# Altium PCB Board.PcbDoc (part 7 of 7)
Units mil, origin at the board's own origin, x right, y up, seen from the top; angles counter-clockwise.
Board outline 7091.76 x 4731.03 mil, 4 copper layers (Top Layer, GND, VCC, Bottom Layer); 297 components, 197 nets, 1031 pads, 468 vias.
Unrouted connection lines stored in the file: 1.
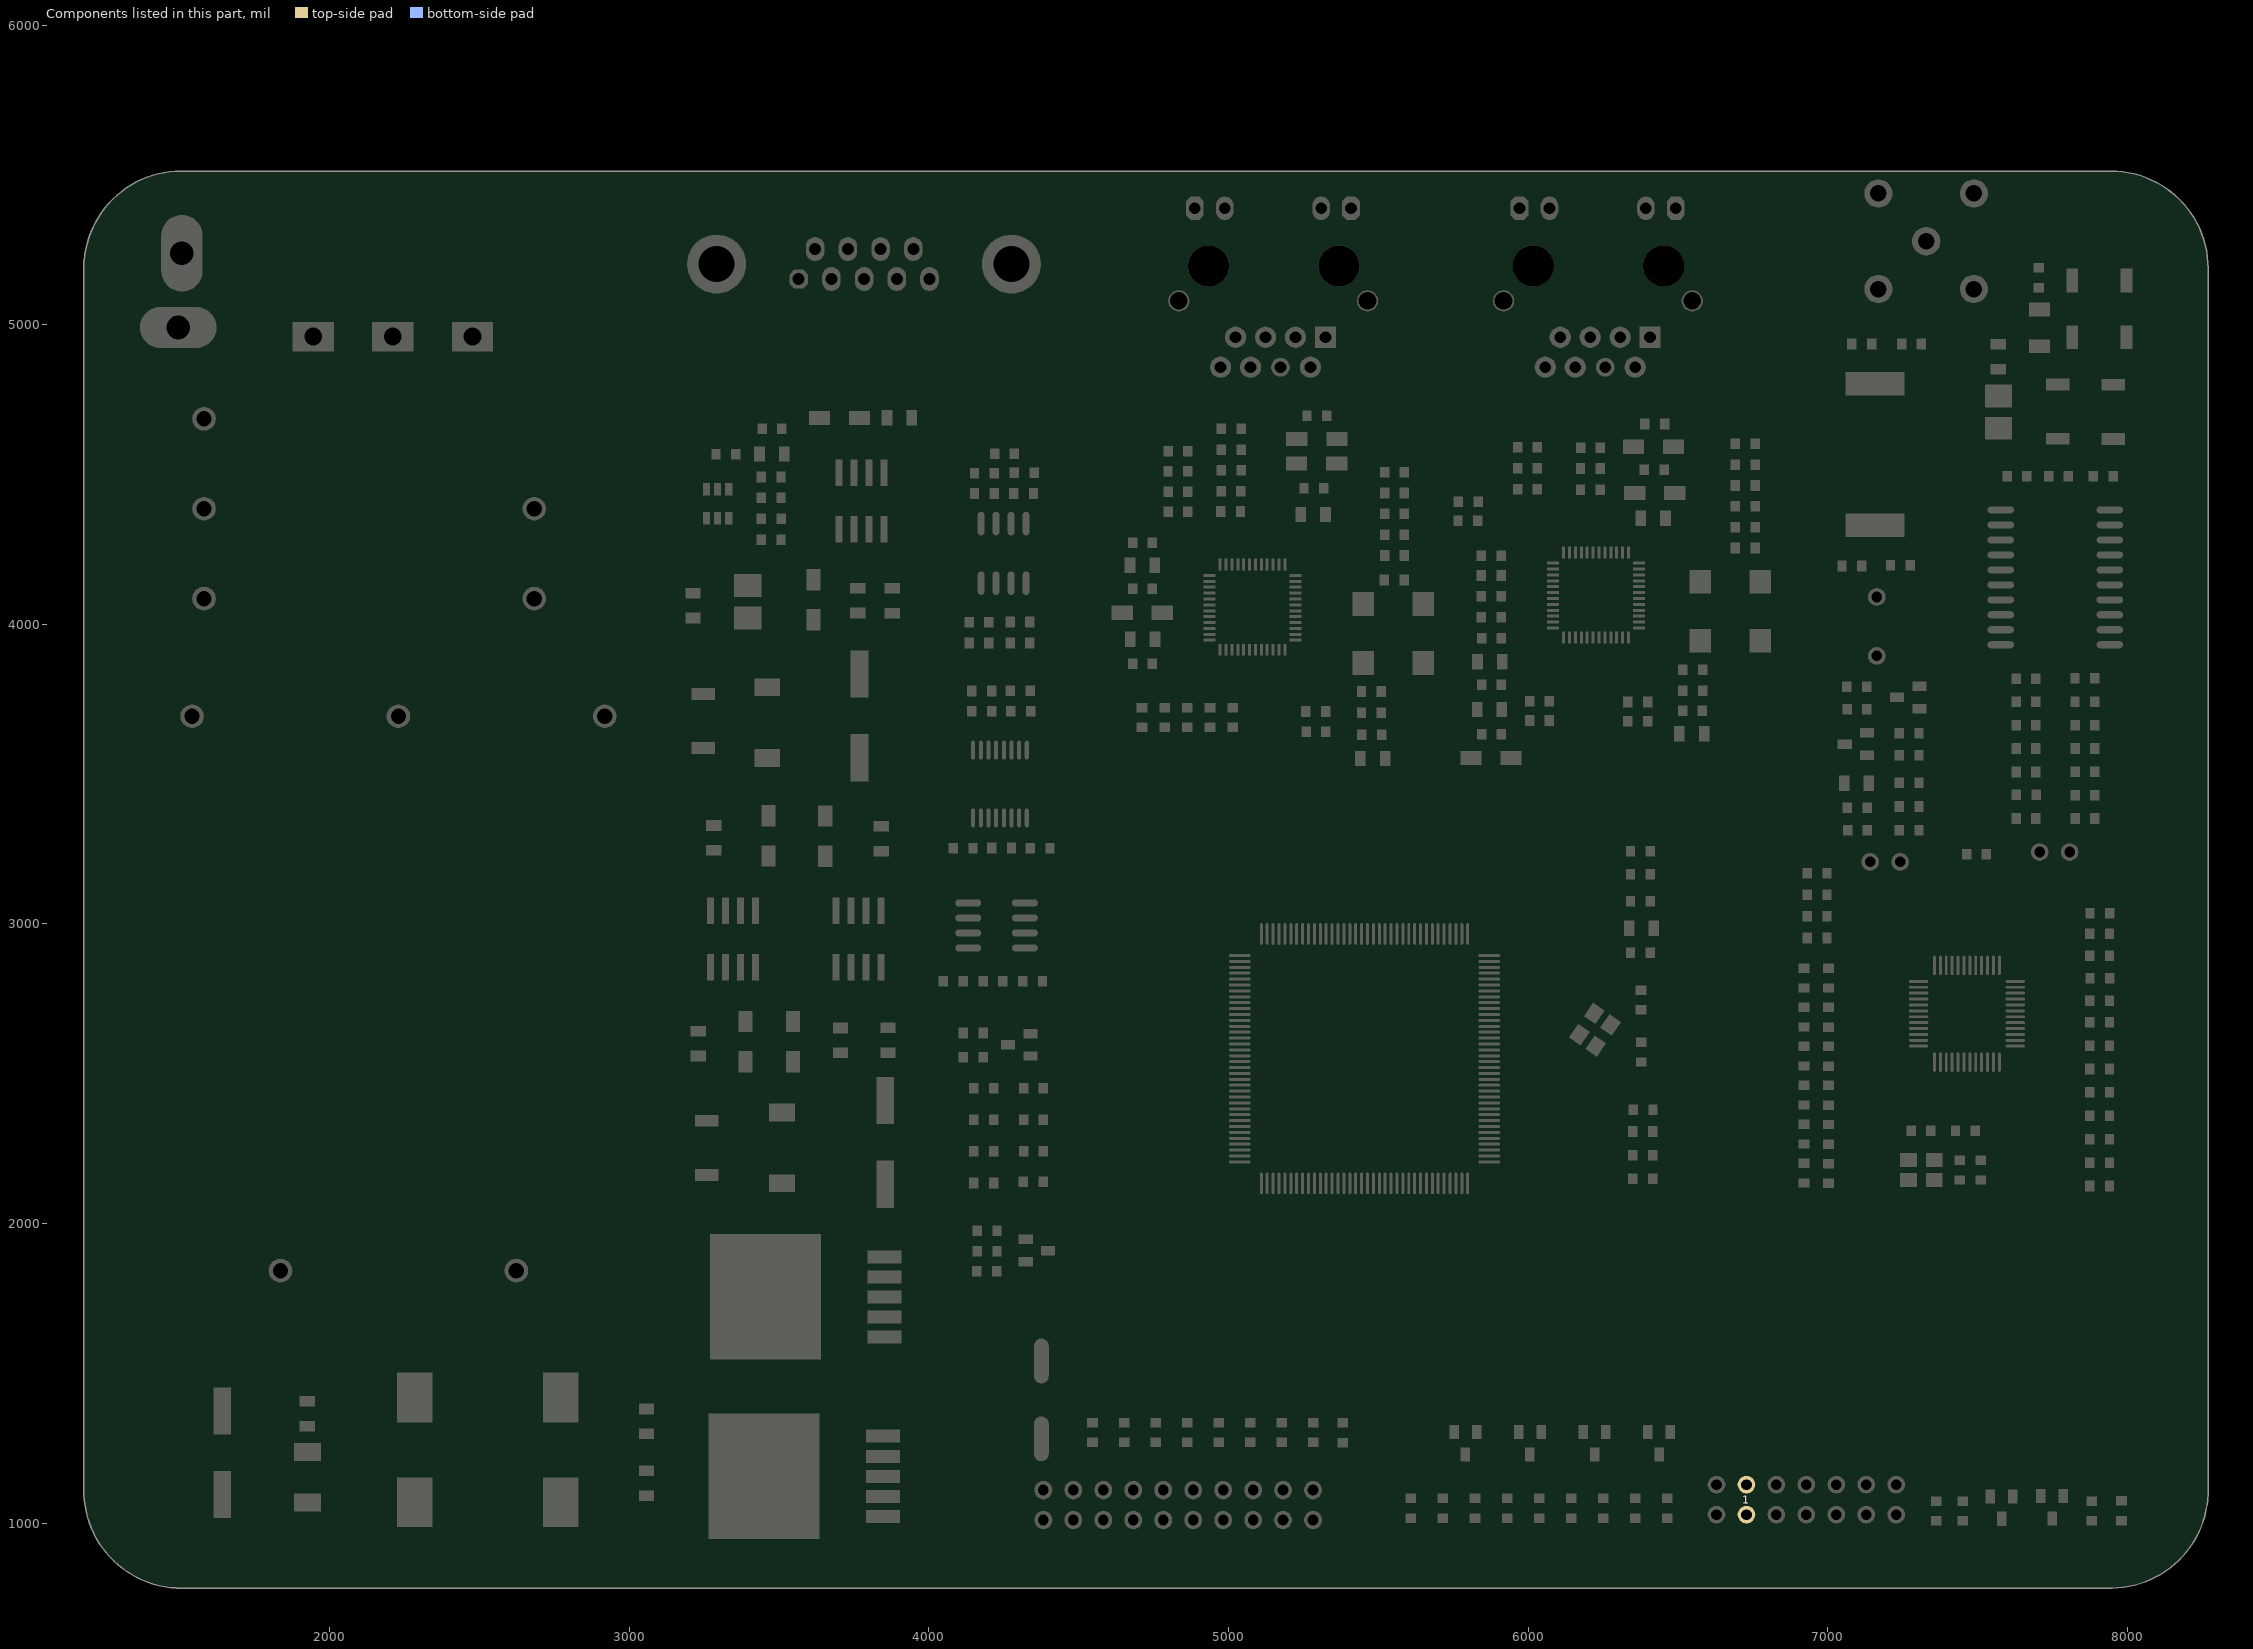
[diagram p9: the components of this part, seen from the top]

## Via types
v1: diameter 20, hole 12, Top Layer to Bottom Layer, 399 vias
v2: diameter 30, hole 16, Top Layer to Bottom Layer, 68 vias
v3: diameter 25, hole 15, Top Layer to Bottom Layer, 1 vias

## Nets (pads, with @x,y where several pads share a name; then routed paths per layer and width w, separated by ;. In a path a pad name is that pad's centre, name@x,y a point inside that pad or via, vN(x,y) a via of type N, cw(c..) or ccw(c..) an arc to the next point about the centre after c; other vN are vias at no path point) (continued)
copper on no net: (continued)
  Top Layer w2.07: 7701.78,1303.36 7783.2,1303.36 ; 7701.78,1305.43 7783.2,1305.43 ; 7701.78,1307.5 7783.2,1307.5 ; 7701.78,1309.57 7783.2,1309.57 ; 7701.78,1311.64 7733.52,1311.64 ; 7701.78,1313.71 7733.52,1313.71 ; 7701.78,1315.78 7733.52,1315.78 ; 7701.78,1317.85 7733.52,1317.85 ; 7701.78,1319.92 7733.52,1319.92 ; 7701.78,1321.99 7733.52,1321.99 ; 7701.78,1324.06 7733.52,1324.06 ; 7701.78,1326.13 7733.52,1326.13 ; 7701.78,1460.68 7716.96,1460.68 ; 7701.78,1462.75 7716.96,1462.75 ; 7701.78,1464.82 7716.96,1464.82 ; 7701.78,1466.89 7716.96,1466.89 ; 7701.78,1468.96 7716.96,1468.96 ; 7701.78,1471.03 7716.96,1471.03 ; 7701.78,1473.1 7716.96,1473.1 ; 7701.78,1475.17 7716.96,1475.17 ; 7701.78,1510.36 7750.08,1510.36 ; 7701.78,1512.43 7750.08,1512.43 ; 7701.78,1514.5 7750.08,1514.5 ; 7701.78,1516.57 7750.08,1516.57 ; 7701.78,1518.64 7750.08,1518.64 ; 7701.78,1520.71 7750.08,1520.71 ; 7701.78,1522.78 7750.08,1522.78 ; 7701.78,1524.85 7750.08,1524.85 ; 7701.78,1560.04 7716.96,1560.04 ; 7701.78,1562.11 7716.96,1562.11 ; 7701.78,1564.18 7716.96,1564.18 ; 7701.78,1566.25 7716.96,1566.25 ; 7701.78,1568.32 7716.96,1568.32 ; 7701.78,1570.39 7716.96,1570.39 ; 7701.78,1572.46 7716.96,1572.46 ; 7701.78,1574.53 7716.96,1574.53 ; 7701.78,1659.4 7733.52,1659.4 ; 7701.78,1661.47 7733.52,1661.47 ; 7701.78,1663.54 7733.52,1663.54 ; 7701.78,1665.61 7733.52,1665.61 ; 7701.78,1667.68 7733.52,1667.68 ; 7701.78,1669.75 7733.52,1669.75 ; 7701.78,1671.82 7733.52,1671.82 ; 7701.78,1673.89 7733.52,1673.89 ; 7701.78,1675.96 7716.96,1675.96 ; 7701.78,1678.03 7716.96,1678.03 ; 7701.78,1680.1 7716.96,1680.1 ; 7701.78,1682.17 7716.96,1682.17 ; 7701.78,1684.24 7716.96,1684.24 ; 7701.78,1686.31 7716.96,1686.31 ; 7701.78,1688.38 7716.96,1688.38 ; 7701.78,1690.45 7716.96,1690.45 ; 7701.78,1692.52 7716.96,1692.52 ; 7701.78,1694.59 7716.96,1694.59 ; 7701.78,1696.66 7716.96,1696.66 ; 7701.78,1698.73 7716.96,1698.73 ; 7701.78,1700.8 7716.96,1700.8 ; 7701.78,1702.87 7716.96,1702.87 ; 7701.78,1704.94 7716.96,1704.94 ; 7701.78,1707.01 7716.96,1707.01 ; 7701.78,1742.2 7766.64,1742.2 ; 7701.78,1744.27 7766.64,1744.27 ; 7701.78,1746.34 7766.64,1746.34 ; 7701.78,1748.41 7766.64,1748.41 ; 7701.78,1750.48 7766.64,1750.48 ; 7701.78,1752.55 7766.64,1752.55 ; 7701.78,1754.62 7766.64,1754.62 ; 7701.78,1756.69 7766.64,1756.69 ; 7718.34,1261.96 7783.2,1261.96 ; 7718.34,1264.03 7783.2,1264.03 ; 7718.34,1266.1 7783.2,1266.1 ; 7718.34,1268.17 7783.2,1268.17 ; 7718.34,1270.24 7783.2,1270.24 ; 7718.34,1272.31 7783.2,1272.31 ; 7718.34,1274.38 7783.2,1274.38 ; 7718.34,1276.45 7783.2,1276.45 ; 7718.34,1328.2 7733.52,1328.2 ; 7718.34,1330.27 7733.52,1330.27 ; 7718.34,1332.34 7733.52,1332.34 ; 7718.34,1334.41 7733.52,1334.41 ; 7718.34,1336.48 7733.52,1336.48 ; 7718.34,1338.55 7733.52,1338.55 ; 7718.34,1340.62 7733.52,1340.62 ; 7718.34,1342.69 7733.52,1342.69 ; 7718.34,1361.32 7783.2,1361.32 ; 7718.34,1363.39 7783.2,1363.39 ; 7718.34,1365.46 7783.2,1365.46 ; 7718.34,1367.53 7783.2,1367.53 ; 7718.34,1369.6 7783.2,1369.6 ; 7718.34,1371.67 7783.2,1371.67 ; 7718.34,1373.74 7783.2,1373.74 ; 7718.34,1375.81 7783.2,1375.81 ; 7718.34,1394.44 7733.52,1394.44 ; 7718.34,1396.51 7733.52,1396.51 ; 7718.34,1398.58 7733.52,1398.58 ; 7718.34,1400.65 7733.52,1400.65 ; 7718.34,1402.72 7733.52,1402.72 ; 7718.34,1404.79 7733.52,1404.79 ; 7718.34,1406.86 7733.52,1406.86 ; 7718.34,1408.93 7733.52,1408.93 ; 7718.34,1427.56 7750.08,1427.56 ; 7718.34,1429.63 7750.08,1429.63 ; 7718.34,1431.7 7750.08,1431.7 ; 7718.34,1433.77 7750.08,1433.77 ; 7718.34,1435.84 7750.08,1435.84 ; 7718.34,1437.91 7750.08,1437.91 ; 7718.34,1439.98 7750.08,1439.98 ; 7718.34,1442.05 7750.08,1442.05 ; 7718.34,1444.12 7750.08,1444.12 ; 7718.34,1446.19 7750.08,1446.19 ; 7718.34,1448.26 7750.08,1448.26 ; 7718.34,1450.33 7750.08,1450.33 ; 7718.34,1452.4 7750.08,1452.4 ; 7718.34,1454.47 7750.08,1454.47 ; 7718.34,1456.54 7750.08,1456.54 ; 7718.34,1458.61 7750.08,1458.61 ; 7718.34,1576.6 7733.52,1576.6 ; 7718.34,1578.67 7733.52,1578.67 ; 7718.34,1580.74 7733.52,1580.74 ; 7718.34,1582.81 7733.52,1582.81 ; 7718.34,1584.88 7733.52,1584.88 ; 7718.34,1586.95 7733.52,1586.95 ; 7718.34,1589.02 7733.52,1589.02 ; 7718.34,1591.09 7733.52,1591.09 ; 7718.34,1593.16 7733.52,1593.16 ; 7718.34,1595.23 7733.52,1595.23 ; 7718.34,1597.3 7733.52,1597.3 ; 7718.34,1599.37 7733.52,1599.37 ; 7718.34,1601.44 7733.52,1601.44 ; 7718.34,1603.51 7733.52,1603.51 ; 7718.34,1605.58 7733.52,1605.58 ; 7718.34,1607.65 7733.52,1607.65 ; 7718.34,1709.08 7733.52,1709.08 ; 7718.34,1711.15 7733.52,1711.15 ; 7718.34,1713.22 7733.52,1713.22 ; 7718.34,1715.29 7733.52,1715.29 ; 7718.34,1717.36 7733.52,1717.36 ; 7718.34,1719.43 7733.52,1719.43 ; 7718.34,1721.5 7733.52,1721.5 ; 7718.34,1723.57 7733.52,1723.57 ; 7718.34,1758.76 7733.52,1758.76 ; 7718.34,1760.83 7733.52,1760.83 ; 7718.34,1762.9 7733.52,1762.9 ; 7718.34,1764.97 7733.52,1764.97 ; 7718.34,1767.04 7733.52,1767.04 ; 7718.34,1769.11 7733.52,1769.11 ; 7718.34,1771.18 7733.52,1771.18 ; 7718.34,1773.25 7733.52,1773.25 ; 7734.9,1411 7750.08,1411 ; 7734.9,1413.07 7750.08,1413.07 ; 7734.9,1415.14 7750.08,1415.14 ; 7734.9,1417.21 7750.08,1417.21 ; 7734.9,1419.28 7750.08,1419.28 ; 7734.9,1421.35 7750.08,1421.35 ; 7734.9,1423.42 7750.08,1423.42 ; 7734.9,1425.49 7750.08,1425.49 ; 7734.9,1526.92 7832.88,1526.92 ; 7734.9,1528.99 7832.88,1528.99 ; 7734.9,1531.06 7832.88,1531.06 ; 7734.9,1533.13 7832.88,1533.13 ; 7734.9,1535.2 7832.88,1535.2 ; 7734.9,1537.27 7832.88,1537.27 ; 7734.9,1539.34 7832.88,1539.34 ; 7734.9,1541.41 7832.88,1541.41 ; 7734.9,1626.28 7766.64,1626.28 ; 7734.9,1628.35 7766.64,1628.35 ; 7734.9,1630.42 7766.64,1630.42 ; 7734.9,1632.49 7766.64,1632.49 ; 7734.9,1634.56 7766.64,1634.56 ; 7734.9,1636.63 7766.64,1636.63 ; 7734.9,1638.7 7766.64,1638.7 ; 7734.9,1640.77 7766.64,1640.77 ; 7734.9,1675.96 7750.08,1675.96 ; 7734.9,1678.03 7750.08,1678.03 ; 7734.9,1680.1 7750.08,1680.1 ; 7734.9,1682.17 7750.08,1682.17 ; 7734.9,1684.24 7750.08,1684.24 ; 7734.9,1686.31 7750.08,1686.31 ; 7734.9,1688.38 7750.08,1688.38 ; 7734.9,1690.45 7750.08,1690.45 ; 7734.9,1692.52 7750.08,1692.52 ; 7734.9,1694.59 7750.08,1694.59 ; 7734.9,1696.66 7750.08,1696.66 ; 7734.9,1698.73 7750.08,1698.73 ; 7734.9,1700.8 7750.08,1700.8 ; 7734.9,1702.87 7750.08,1702.87 ; 7734.9,1704.94 7750.08,1704.94 ; 7734.9,1707.01 7750.08,1707.01 ; 7734.9,1775.32 7750.08,1775.32 ; 7734.9,1777.39 7750.08,1777.39 ; 7734.9,1779.46 7750.08,1779.46 ; 7734.9,1781.53 7750.08,1781.53 ; 7734.9,1783.6 7750.08,1783.6 ; 7734.9,1785.67 7750.08,1785.67 ; 7734.9,1787.74 7750.08,1787.74 ; 7734.9,1789.81 7750.08,1789.81 ; 7734.9,1791.88 7750.08,1791.88 ; 7734.9,1793.95 7750.08,1793.95 ; 7734.9,1796.02 7750.08,1796.02 ; 7734.9,1798.09 7750.08,1798.09 ; 7734.9,1800.16 7750.08,1800.16 ; 7734.9,1802.23 7750.08,1802.23 ; 7734.9,1804.3 7750.08,1804.3 ; 7734.9,1806.37 7750.08,1806.37 ; 7751.46,1328.2 7866,1328.2 ; 7751.46,1330.27 7866,1330.27 ; 7751.46,1332.34 7866,1332.34 ; 7751.46,1334.41 7866,1334.41 ; 7751.46,1336.48 7866,1336.48 ; 7751.46,1338.55 7866,1338.55 ; 7751.46,1340.62 7866,1340.62 ; 7751.46,1342.69 7866,1342.69 ; 7751.46,1344.76 7783.2,1344.76 ; 7751.46,1346.83 7783.2,1346.83 ; 7751.46,1348.9 7783.2,1348.9 ; 7751.46,1350.97 7783.2,1350.97 ; 7751.46,1353.04 7783.2,1353.04 ; 7751.46,1355.11 7783.2,1355.11 ; 7751.46,1357.18 7783.2,1357.18 ; 7751.46,1359.25 7783.2,1359.25 ; 7751.46,1460.68 7799.76,1460.68 ; 7751.46,1462.75 7799.76,1462.75 ; 7751.46,1464.82 7799.76,1464.82 ; 7751.46,1466.89 7799.76,1466.89 ; 7751.46,1468.96 7799.76,1468.96 ; 7751.46,1471.03 7799.76,1471.03 ; 7751.46,1473.1 7799.76,1473.1 ; 7751.46,1475.17 7799.76,1475.17 ; 7751.46,1477.24 7783.2,1477.24 ; 7751.46,1479.31 7783.2,1479.31 ; 7751.46,1481.38 7783.2,1481.38 ; 7751.46,1483.45 7783.2,1483.45 ; 7751.46,1485.52 7783.2,1485.52 ; 7751.46,1487.59 7783.2,1487.59 ; 7751.46,1489.66 7783.2,1489.66 ; 7751.46,1491.73 7783.2,1491.73 ; 7751.46,1493.8 7816.32,1493.8 ; 7751.46,1495.87 7816.32,1495.87 ; 7751.46,1497.94 7816.32,1497.94 ; 7751.46,1500.01 7816.32,1500.01 ; 7751.46,1502.08 7816.32,1502.08 ; 7751.46,1504.15 7816.32,1504.15 ; 7751.46,1506.22 7816.32,1506.22 ; 7751.46,1508.29 7816.32,1508.29 ; 7751.46,1543.48 7766.64,1543.48 ; 7751.46,1545.55 7766.64,1545.55 ; 7751.46,1547.62 7766.64,1547.62 ; 7751.46,1549.69 7766.64,1549.69 ; 7751.46,1551.76 7766.64,1551.76 ; 7751.46,1553.83 7766.64,1553.83 ; 7751.46,1555.9 7766.64,1555.9 ; 7751.46,1557.97 7766.64,1557.97 ; 7751.46,1576.6 7766.64,1576.6 ; 7751.46,1578.67 7766.64,1578.67 ; 7751.46,1580.74 7766.64,1580.74 ; 7751.46,1582.81 7766.64,1582.81 ; 7751.46,1584.88 7766.64,1584.88 ; 7751.46,1586.95 7766.64,1586.95 ; 7751.46,1589.02 7766.64,1589.02 ; 7751.46,1591.09 7766.64,1591.09 ; 7751.46,1593.16 7783.2,1593.16 ; 7751.46,1595.23 7783.2,1595.23 ; 7751.46,1597.3 7783.2,1597.3 ; 7751.46,1599.37 7783.2,1599.37 ; 7751.46,1601.44 7783.2,1601.44 ; 7751.46,1603.51 7783.2,1603.51 ; 7751.46,1605.58 7783.2,1605.58 ; 7751.46,1607.65 7783.2,1607.65 ; 7751.46,1709.08 7766.64,1709.08 ; 7751.46,1711.15 7766.64,1711.15 ; 7751.46,1713.22 7766.64,1713.22 ; 7751.46,1715.29 7766.64,1715.29 ; 7751.46,1717.36 7766.64,1717.36 ; 7751.46,1719.43 7766.64,1719.43 ; 7751.46,1721.5 7766.64,1721.5 ; 7751.46,1723.57 7766.64,1723.57 ; 7751.46,1725.64 7783.2,1725.64 ; 7751.46,1727.71 7783.2,1727.71 ; 7751.46,1729.78 7783.2,1729.78 ; 7751.46,1731.85 7783.2,1731.85 ; 7751.46,1733.92 7783.2,1733.92 ; 7751.46,1735.99 7783.2,1735.99 ; 7751.46,1738.06 7783.2,1738.06 ; 7751.46,1740.13 7783.2,1740.13 ; 7751.46,1758.76 7766.64,1758.76 ; 7751.46,1760.83 7766.64,1760.83 ; 7751.46,1762.9 7766.64,1762.9 ; 7751.46,1764.97 7766.64,1764.97 ; 7751.46,1767.04 7766.64,1767.04 ; 7751.46,1769.11 7766.64,1769.11 ; 7751.46,1771.18 7766.64,1771.18 ; 7751.46,1773.25 7766.64,1773.25 ; 7768.02,1311.64 7783.2,1311.64 ; 7768.02,1313.71 7783.2,1313.71 ; 7768.02,1315.78 7783.2,1315.78 ; 7768.02,1317.85 7783.2,1317.85 ; 7768.02,1319.92 7783.2,1319.92 ; 7768.02,1321.99 7783.2,1321.99 ; 7768.02,1324.06 7783.2,1324.06 ; 7768.02,1326.13 7783.2,1326.13 ; 7768.02,1377.88 7783.2,1377.88 ; 7768.02,1379.95 7783.2,1379.95 ; 7768.02,1382.02 7783.2,1382.02 ; 7768.02,1384.09 7783.2,1384.09 ; 7768.02,1386.16 7783.2,1386.16 ; 7768.02,1388.23 7783.2,1388.23 ; 7768.02,1390.3 7783.2,1390.3 ; 7768.02,1392.37 7783.2,1392.37 ; 7768.02,1394.44 7866,1394.44 ; 7768.02,1396.51 7866,1396.51 ; 7768.02,1398.58 7866,1398.58 ; 7768.02,1400.65 7866,1400.65 ; 7768.02,1402.72 7866,1402.72 ; 7768.02,1404.79 7866,1404.79 ; 7768.02,1406.86 7866,1406.86 ; 7768.02,1408.93 7866,1408.93 ; 7768.02,1427.56 7783.2,1427.56 ; 7768.02,1429.63 7783.2,1429.63 ; 7768.02,1431.7 7783.2,1431.7 ; 7768.02,1433.77 7783.2,1433.77 ; 7768.02,1435.84 7783.2,1435.84 ; 7768.02,1437.91 7783.2,1437.91 ; 7768.02,1439.98 7783.2,1439.98 ; 7768.02,1442.05 7783.2,1442.05 ; 7768.02,1510.36 7799.76,1510.36 ; 7768.02,1512.43 7799.76,1512.43 ; 7768.02,1514.5 7799.76,1514.5 ; 7768.02,1516.57 7799.76,1516.57 ; 7768.02,1518.64 7799.76,1518.64 ; 7768.02,1520.71 7799.76,1520.71 ; 7768.02,1522.78 7799.76,1522.78 ; 7768.02,1524.85 7799.76,1524.85 ; 7768.02,1659.4 7783.2,1659.4 ; 7768.02,1661.47 7783.2,1661.47 ; 7768.02,1663.54 7783.2,1663.54 ; 7768.02,1665.61 7783.2,1665.61 ; 7768.02,1667.68 7783.2,1667.68 ; 7768.02,1669.75 7783.2,1669.75 ; 7768.02,1671.82 7783.2,1671.82 ; 7768.02,1673.89 7783.2,1673.89 ; 7768.02,1675.96 7783.2,1675.96 ; 7768.02,1678.03 7783.2,1678.03 ; 7768.02,1680.1 7783.2,1680.1 ; 7768.02,1682.17 7783.2,1682.17 ; 7768.02,1684.24 7783.2,1684.24 ; 7768.02,1686.31 7783.2,1686.31 ; 7768.02,1688.38 7783.2,1688.38 ; 7768.02,1690.45 7783.2,1690.45 ; 7768.02,1692.52 7783.2,1692.52 ; 7768.02,1694.59 7783.2,1694.59 ; 7768.02,1696.66 7783.2,1696.66 ; 7768.02,1698.73 7783.2,1698.73 ; 7768.02,1700.8 7783.2,1700.8 ; 7768.02,1702.87 7783.2,1702.87 ; 7768.02,1704.94 7783.2,1704.94 ; 7768.02,1707.01 7783.2,1707.01 ; 7768.02,1791.88 7783.2,1791.88 ; 7768.02,1793.95 7783.2,1793.95 ; 7768.02,1796.02 7783.2,1796.02 ; 7768.02,1798.09 7783.2,1798.09 ; 7768.02,1800.16 7783.2,1800.16 ; 7768.02,1802.23 7783.2,1802.23 ; 7768.02,1804.3 7783.2,1804.3 ; 7768.02,1806.37 7783.2,1806.37 ; 7784.58,1444.12 7866,1444.12 ; 7784.58,1446.19 7866,1446.19 ; 7784.58,1448.26 7866,1448.26 ; 7784.58,1450.33 7866,1450.33 ; 7784.58,1452.4 7866,1452.4 ; 7784.58,1454.47 7866,1454.47 ; 7784.58,1456.54 7866,1456.54 ; 7784.58,1458.61 7866,1458.61 ; 7784.58,1560.04 7799.76,1560.04 ; 7784.58,1562.11 7799.76,1562.11 ; 7784.58,1564.18 7799.76,1564.18 ; 7784.58,1566.25 7799.76,1566.25 ; 7784.58,1568.32 7799.76,1568.32 ; 7784.58,1570.39 7799.76,1570.39 ; 7784.58,1572.46 7799.76,1572.46 ; 7784.58,1574.53 7799.76,1574.53 ; 7784.58,1576.6 7799.76,1576.6 ; 7784.58,1578.67 7799.76,1578.67 ; 7784.58,1580.74 7799.76,1580.74 ; 7784.58,1582.81 7799.76,1582.81 ; 7784.58,1584.88 7799.76,1584.88 ; 7784.58,1586.95 7799.76,1586.95 ; 7784.58,1589.02 7799.76,1589.02 ; 7784.58,1591.09 7799.76,1591.09 ; 7784.58,1626.28 7799.76,1626.28 ; 7784.58,1628.35 7799.76,1628.35 ; 7784.58,1630.42 7799.76,1630.42 ; 7784.58,1632.49 7799.76,1632.49 ; 7784.58,1634.56 7799.76,1634.56 ; 7784.58,1636.63 7799.76,1636.63 ; 7784.58,1638.7 7799.76,1638.7 ; 7784.58,1640.77 7799.76,1640.77 ; 7784.58,1642.84 7799.76,1642.84 ; 7784.58,1644.91 7799.76,1644.91 ; 7784.58,1646.98 7799.76,1646.98 ; 7784.58,1649.05 7799.76,1649.05 ; 7784.58,1651.12 7799.76,1651.12 ; 7784.58,1653.19 7799.76,1653.19 ; 7784.58,1655.26 7799.76,1655.26 ; 7784.58,1657.33 7799.76,1657.33 ; 7801.14,1278.52 7816.32,1278.52 ; 7801.14,1280.59 7816.32,1280.59 ; 7801.14,1282.66 7816.32,1282.66 ; 7801.14,1284.73 7816.32,1284.73 ; 7801.14,1286.8 7816.32,1286.8 ; 7801.14,1288.87 7816.32,1288.87 ; 7801.14,1290.94 7816.32,1290.94 ; 7801.14,1293.01 7816.32,1293.01 ; 7801.14,1361.32 7816.32,1361.32 ; 7801.14,1363.39 7816.32,1363.39 ; 7801.14,1365.46 7816.32,1365.46 ; 7801.14,1367.53 7816.32,1367.53 ; 7801.14,1369.6 7816.32,1369.6 ; 7801.14,1371.67 7816.32,1371.67 ; 7801.14,1373.74 7816.32,1373.74 ; 7801.14,1375.81 7816.32,1375.81 ; 7801.14,1427.56 7816.32,1427.56 ; 7801.14,1429.63 7816.32,1429.63 ; 7801.14,1431.7 7816.32,1431.7 ; 7801.14,1433.77 7816.32,1433.77 ; 7801.14,1435.84 7816.32,1435.84 ; 7801.14,1437.91 7816.32,1437.91 ; 7801.14,1439.98 7816.32,1439.98 ; 7801.14,1442.05 7816.32,1442.05 ; 7801.14,1477.24 7882.56,1477.24 ; 7801.14,1479.31 7882.56,1479.31 ; 7801.14,1481.38 7882.56,1481.38 ; 7801.14,1483.45 7882.56,1483.45 ; 7801.14,1485.52 7882.56,1485.52 ; 7801.14,1487.59 7882.56,1487.59 ; 7801.14,1489.66 7882.56,1489.66 ; 7801.14,1491.73 7882.56,1491.73 ; 7801.14,1593.16 7849.44,1593.16 ; 7801.14,1595.23 7849.44,1595.23 ; 7801.14,1597.3 7849.44,1597.3 ; 7801.14,1599.37 7849.44,1599.37 ; 7801.14,1601.44 7849.44,1601.44 ; 7801.14,1603.51 7849.44,1603.51 ; 7801.14,1605.58 7849.44,1605.58 ; 7801.14,1607.65 7849.44,1607.65 ; 7801.14,1692.52 7915.68,1692.52 ; 7801.14,1694.59 7915.68,1694.59 ; 7801.14,1696.66 7915.68,1696.66 ; 7801.14,1698.73 7915.68,1698.73 ; 7801.14,1700.8 7915.68,1700.8 ; 7801.14,1702.87 7915.68,1702.87 ; 7801.14,1704.94 7915.68,1704.94 ; 7801.14,1707.01 7915.68,1707.01 ; 7801.14,1709.08 7816.32,1709.08 ; 7801.14,1711.15 7816.32,1711.15 ; 7801.14,1713.22 7816.32,1713.22 ; 7801.14,1715.29 7816.32,1715.29 ; 7801.14,1717.36 7816.32,1717.36 ; 7801.14,1719.43 7816.32,1719.43 ; 7801.14,1721.5 7816.32,1721.5 ; 7801.14,1723.57 7816.32,1723.57 ; 7801.14,1725.64 7816.32,1725.64 ; 7801.14,1727.71 7816.32,1727.71 ; 7801.14,1729.78 7816.32,1729.78 ; 7801.14,1731.85 7816.32,1731.85 ; 7801.14,1733.92 7816.32,1733.92 ; 7801.14,1735.99 7816.32,1735.99 ; 7801.14,1738.06 7816.32,1738.06 ; 7801.14,1740.13 7816.32,1740.13 ; 7801.14,1742.2 7816.32,1742.2 ; 7801.14,1744.27 7816.32,1744.27 ; 7801.14,1746.34 7816.32,1746.34 ; 7801.14,1748.41 7816.32,1748.41 ; 7801.14,1750.48 7816.32,1750.48 ; 7801.14,1752.55 7816.32,1752.55 ; 7801.14,1754.62 7816.32,1754.62 ; 7801.14,1756.69 7816.32,1756.69 ; 7801.14,1758.76 7816.32,1758.76 ; 7801.14,1760.83 7816.32,1760.83 ; 7801.14,1762.9 7816.32,1762.9 ; 7801.14,1764.97 7816.32,1764.97 ; 7801.14,1767.04 7816.32,1767.04 ; 7801.14,1769.11 7816.32,1769.11 ; 7801.14,1771.18 7816.32,1771.18 ; 7801.14,1773.25 7816.32,1773.25 ; 7801.14,1775.32 7816.32,1775.32 ; 7801.14,1777.39 7816.32,1777.39 ; 7801.14,1779.46 7816.32,1779.46 ; 7801.14,1781.53 7816.32,1781.53 ; 7801.14,1783.6 7816.32,1783.6 ; 7801.14,1785.67 7816.32,1785.67 ; 7801.14,1787.74 7816.32,1787.74 ; 7801.14,1789.81 7816.32,1789.81 ; 7801.14,1791.88 7915.68,1791.88 ; 7801.14,1793.95 7915.68,1793.95 ; 7801.14,1796.02 7915.68,1796.02 ; 7801.14,1798.09 7915.68,1798.09 ; 7801.14,1800.16 7915.68,1800.16 ; 7801.14,1802.23 7915.68,1802.23 ; 7801.14,1804.3 7915.68,1804.3 ; 7801.14,1806.37 7915.68,1806.37 ; 7817.7,1311.64 7832.88,1311.64 ; 7817.7,1313.71 7832.88,1313.71 ; 7817.7,1315.78 7832.88,1315.78 ; 7817.7,1317.85 7832.88,1317.85 ; 7817.7,1319.92 7832.88,1319.92 ; 7817.7,1321.99 7832.88,1321.99 ; 7817.7,1324.06 7832.88,1324.06 ; 7817.7,1326.13 7832.88,1326.13 ; 7817.7,1460.68 7832.88,1460.68 ; 7817.7,1462.75 7832.88,1462.75 ; 7817.7,1464.82 7832.88,1464.82 ; 7817.7,1466.89 7832.88,1466.89 ; 7817.7,1468.96 7832.88,1468.96 ; 7817.7,1471.03 7832.88,1471.03 ; 7817.7,1473.1 7832.88,1473.1 ; 7817.7,1475.17 7832.88,1475.17 ; 7817.7,1510.36 7866,1510.36 ; 7817.7,1512.43 7866,1512.43 ; 7817.7,1514.5 7866,1514.5 ; 7817.7,1516.57 7866,1516.57 ; 7817.7,1518.64 7866,1518.64 ; 7817.7,1520.71 7866,1520.71 ; 7817.7,1522.78 7866,1522.78 ; 7817.7,1524.85 7866,1524.85 ; 7817.7,1543.48 7832.88,1543.48 ; 7817.7,1545.55 7832.88,1545.55 ; 7817.7,1547.62 7832.88,1547.62 ; 7817.7,1549.69 7832.88,1549.69 ; 7817.7,1551.76 7832.88,1551.76 ; 7817.7,1553.83 7832.88,1553.83 ; 7817.7,1555.9 7832.88,1555.9 ; 7817.7,1557.97 7832.88,1557.97 ; 7817.7,1560.04 7832.88,1560.04 ; 7817.7,1562.11 7832.88,1562.11 ; 7817.7,1564.18 7832.88,1564.18 ; 7817.7,1566.25 7832.88,1566.25 ; 7817.7,1568.32 7832.88,1568.32 ; 7817.7,1570.39 7832.88,1570.39 ; 7817.7,1572.46 7832.88,1572.46 ; 7817.7,1574.53 7832.88,1574.53 ; 7817.7,1576.6 7866,1576.6 ; 7817.7,1578.67 7866,1578.67 ; 7817.7,1580.74 7866,1580.74 ; 7817.7,1582.81 7866,1582.81 ; 7817.7,1584.88 7866,1584.88 ; 7817.7,1586.95 7866,1586.95 ; 7817.7,1589.02 7866,1589.02 ; 7817.7,1591.09 7866,1591.09 ; 7817.7,1609.72 7849.44,1609.72 ; 7817.7,1611.79 7849.44,1611.79 ; 7817.7,1613.86 7849.44,1613.86 ; 7817.7,1615.93 7849.44,1615.93 ; 7817.7,1618 7849.44,1618 ; 7817.7,1620.07 7849.44,1620.07 ; 7817.7,1622.14 7849.44,1622.14 ; 7817.7,1624.21 7849.44,1624.21 ; 7817.7,1626.28 7832.88,1626.28 ; 7817.7,1628.35 7832.88,1628.35 ; 7817.7,1630.42 7832.88,1630.42 ; 7817.7,1632.49 7832.88,1632.49 ; 7817.7,1634.56 7832.88,1634.56 ; 7817.7,1636.63 7832.88,1636.63 ; 7817.7,1638.7 7832.88,1638.7 ; 7817.7,1640.77 7832.88,1640.77 ; 7817.7,1642.84 7882.56,1642.84 ; 7817.7,1644.91 7882.56,1644.91 ; 7817.7,1646.98 7882.56,1646.98 ; 7817.7,1649.05 7882.56,1649.05 ; 7817.7,1651.12 7882.56,1651.12 ; 7817.7,1653.19 7882.56,1653.19 ; 7817.7,1655.26 7882.56,1655.26 ; 7817.7,1657.33 7882.56,1657.33 ; 7834.26,1261.96 7882.56,1261.96 ; 7834.26,1264.03 7882.56,1264.03 ; 7834.26,1266.1 7882.56,1266.1 ; 7834.26,1268.17 7882.56,1268.17 ; 7834.26,1270.24 7882.56,1270.24 ; 7834.26,1272.31 7882.56,1272.31 ; 7834.26,1274.38 7882.56,1274.38 ; 7834.26,1276.45 7882.56,1276.45 ; 7834.26,1295.08 7849.44,1295.08 ; 7834.26,1297.15 7849.44,1297.15 ; 7834.26,1299.22 7849.44,1299.22 ; 7834.26,1301.29 7849.44,1301.29 ; 7834.26,1303.36 7849.44,1303.36 ; 7834.26,1305.43 7849.44,1305.43 ; 7834.26,1307.5 7849.44,1307.5 ; 7834.26,1309.57 7849.44,1309.57 ; 7834.26,1344.76 7849.44,1344.76 ; 7834.26,1346.83 7849.44,1346.83 ; 7834.26,1348.9 7849.44,1348.9 ; 7834.26,1350.97 7849.44,1350.97 ; 7834.26,1353.04 7849.44,1353.04 ; 7834.26,1355.11 7849.44,1355.11 ; 7834.26,1357.18 7849.44,1357.18 ; 7834.26,1359.25 7849.44,1359.25 ; 7834.26,1361.32 7849.44,1361.32 ; 7834.26,1363.39 7849.44,1363.39 ; 7834.26,1365.46 7849.44,1365.46 ; 7834.26,1367.53 7849.44,1367.53 ; 7834.26,1369.6 7849.44,1369.6 ; 7834.26,1371.67 7849.44,1371.67 ; 7834.26,1373.74 7849.44,1373.74 ; 7834.26,1375.81 7849.44,1375.81 ; 7834.26,1377.88 7882.56,1377.88 ; 7834.26,1379.95 7882.56,1379.95 ; 7834.26,1382.02 7882.56,1382.02 ; 7834.26,1384.09 7882.56,1384.09 ; 7834.26,1386.16 7882.56,1386.16 ; 7834.26,1388.23 7882.56,1388.23 ; 7834.26,1390.3 7882.56,1390.3 ; 7834.26,1392.37 7882.56,1392.37 ; 7834.26,1411 7849.44,1411 ; 7834.26,1413.07 7849.44,1413.07 ; 7834.26,1415.14 7849.44,1415.14 ; 7834.26,1417.21 7849.44,1417.21 ; 7834.26,1419.28 7849.44,1419.28 ; 7834.26,1421.35 7849.44,1421.35 ; 7834.26,1423.42 7849.44,1423.42 ; 7834.26,1425.49 7849.44,1425.49 ; 7834.26,1427.56 7866,1427.56 ; 7834.26,1429.63 7866,1429.63 ; 7834.26,1431.7 7866,1431.7 ; 7834.26,1433.77 7866,1433.77 ; 7834.26,1435.84 7866,1435.84 ; 7834.26,1437.91 7866,1437.91 ; 7834.26,1439.98 7866,1439.98 ; 7834.26,1442.05 7866,1442.05 ; 7834.26,1725.64 7882.56,1725.64 ; 7834.26,1727.71 7882.56,1727.71 ; 7834.26,1729.78 7882.56,1729.78 ; 7834.26,1731.85 7882.56,1731.85 ; 7834.26,1733.92 7882.56,1733.92 ; 7834.26,1735.99 7882.56,1735.99 ; 7834.26,1738.06 7882.56,1738.06 ; 7834.26,1740.13 7882.56,1740.13 ; 7834.26,1742.2 7882.56,1742.2 ; 7834.26,1744.27 7882.56,1744.27 ; 7834.26,1746.34 7882.56,1746.34 ; 7834.26,1748.41 7882.56,1748.41 ; 7834.26,1750.48 7882.56,1750.48 ; 7834.26,1752.55 7882.56,1752.55 ; 7834.26,1754.62 7882.56,1754.62 ; 7834.26,1756.69 7882.56,1756.69 ; 7834.26,1758.76 7882.56,1758.76 ; 7834.26,1760.83 7882.56,1760.83 ; 7834.26,1762.9 7882.56,1762.9 ; 7834.26,1764.97 7882.56,1764.97 ; 7834.26,1767.04 7882.56,1767.04 ; 7834.26,1769.11 7882.56,1769.11 ; 7834.26,1771.18 7882.56,1771.18 ; 7834.26,1773.25 7882.56,1773.25 ; 7850.82,1311.64 7899.12,1311.64 ; 7850.82,1313.71 7899.12,1313.71 ; 7850.82,1315.78 7899.12,1315.78 ; 7850.82,1317.85 7899.12,1317.85 ; 7850.82,1319.92 7899.12,1319.92 ; 7850.82,1321.99 7899.12,1321.99 ; 7850.82,1324.06 7899.12,1324.06 ; 7850.82,1326.13 7899.12,1326.13 ; 7850.82,1460.68 7866,1460.68 ; 7850.82,1462.75 7866,1462.75 ; 7850.82,1464.82 7866,1464.82 ; 7850.82,1466.89 7866,1466.89 ; 7850.82,1468.96 7866,1468.96 ; 7850.82,1471.03 7866,1471.03 ; 7850.82,1473.1 7866,1473.1 ; 7850.82,1475.17 7866,1475.17 ; 7850.82,1493.8 7915.68,1493.8 ; 7850.82,1495.87 7915.68,1495.87 ; 7850.82,1497.94 7915.68,1497.94 ; 7850.82,1500.01 7915.68,1500.01 ; 7850.82,1502.08 7915.68,1502.08 ; 7850.82,1504.15 7915.68,1504.15 ; 7850.82,1506.22 7915.68,1506.22 ; 7850.82,1508.29 7915.68,1508.29 ; 7850.82,1526.92 7882.56,1526.92 ; 7850.82,1528.99 7882.56,1528.99 ; 7850.82,1531.06 7882.56,1531.06 ; 7850.82,1533.13 7882.56,1533.13 ; 7850.82,1535.2 7882.56,1535.2 ; 7850.82,1537.27 7882.56,1537.27 ; 7850.82,1539.34 7882.56,1539.34 ; 7850.82,1541.41 7882.56,1541.41 ; 7850.82,1543.48 7866,1543.48 ; 7850.82,1545.55 7866,1545.55 ; 7850.82,1547.62 7866,1547.62 ; 7850.82,1549.69 7866,1549.69 ; 7850.82,1551.76 7866,1551.76 ; 7850.82,1553.83 7866,1553.83 ; 7850.82,1555.9 7866,1555.9 ; 7850.82,1557.97 7866,1557.97 ; 7850.82,1659.4 7882.56,1659.4 ; 7850.82,1661.47 7882.56,1661.47 ; 7850.82,1663.54 7882.56,1663.54 ; 7850.82,1665.61 7882.56,1665.61 ; 7850.82,1667.68 7882.56,1667.68 ; 7850.82,1669.75 7882.56,1669.75 ; 7850.82,1671.82 7882.56,1671.82 ; 7850.82,1673.89 7882.56,1673.89 ; 7867.38,1278.52 7915.68,1278.52 ; 7867.38,1280.59 7915.68,1280.59 ; 7867.38,1282.66 7915.68,1282.66 ; 7867.38,1284.73 7915.68,1284.73 ; 7867.38,1286.8 7915.68,1286.8 ; 7867.38,1288.87 7915.68,1288.87 ; 7867.38,1290.94 7915.68,1290.94 ; 7867.38,1293.01 7915.68,1293.01 ; 7867.38,1295.08 7915.68,1295.08 ; 7867.38,1297.15 7915.68,1297.15 ; 7867.38,1299.22 7915.68,1299.22 ; 7867.38,1301.29 7915.68,1301.29 ; 7867.38,1303.36 7915.68,1303.36 ; 7867.38,1305.43 7915.68,1305.43 ; 7867.38,1307.5 7915.68,1307.5 ; 7867.38,1309.57 7915.68,1309.57 ; 7867.38,1344.76 7899.12,1344.76 ; 7867.38,1346.83 7899.12,1346.83 ; 7867.38,1348.9 7899.12,1348.9 ; 7867.38,1350.97 7899.12,1350.97 ; 7867.38,1353.04 7899.12,1353.04 ; 7867.38,1355.11 7899.12,1355.11 ; 7867.38,1357.18 7899.12,1357.18 ; 7867.38,1359.25 7899.12,1359.25 ; 7867.38,1361.32 7899.12,1361.32 ; 7867.38,1363.39 7899.12,1363.39 ; 7867.38,1365.46 7899.12,1365.46 ; 7867.38,1367.53 7899.12,1367.53 ; 7867.38,1369.6 7899.12,1369.6 ; 7867.38,1371.67 7899.12,1371.67 ; 7867.38,1373.74 7899.12,1373.74 ; 7867.38,1375.81 7899.12,1375.81 ; 7867.38,1411 7882.56,1411 ; 7867.38,1413.07 7882.56,1413.07 ; 7867.38,1415.14 7882.56,1415.14 ; 7867.38,1417.21 7882.56,1417.21 ; 7867.38,1419.28 7882.56,1419.28 ; 7867.38,1421.35 7882.56,1421.35 ; 7867.38,1423.42 7882.56,1423.42 ; 7867.38,1425.49 7882.56,1425.49 ; 7867.38,1609.72 7915.68,1609.72 ; 7867.38,1611.79 7915.68,1611.79 ; 7867.38,1613.86 7915.68,1613.86 ; 7867.38,1615.93 7915.68,1615.93 ; 7867.38,1618 7915.68,1618 ; 7867.38,1620.07 7915.68,1620.07 ; 7867.38,1622.14 7915.68,1622.14 ; 7867.38,1624.21 7915.68,1624.21 ; 7867.38,1626.28 7882.56,1626.28 ; 7867.38,1628.35 7882.56,1628.35 ; 7867.38,1630.42 7882.56,1630.42 ; 7867.38,1632.49 7882.56,1632.49 ; 7867.38,1634.56 7882.56,1634.56 ; 7867.38,1636.63 7882.56,1636.63 ; 7867.38,1638.7 7882.56,1638.7 ; 7867.38,1640.77 7882.56,1640.77 ; 7883.94,1427.56 7915.68,1427.56 ; 7883.94,1429.63 7915.68,1429.63 ; 7883.94,1431.7 7915.68,1431.7 ; 7883.94,1433.77 7915.68,1433.77 ; 7883.94,1435.84 7915.68,1435.84 ; 7883.94,1437.91 7915.68,1437.91 ; 7883.94,1439.98 7915.68,1439.98 ; 7883.94,1442.05 7915.68,1442.05 ; 7883.94,1576.6 7899.12,1576.6 ; 7883.94,1578.67 7899.12,1578.67 ; 7883.94,1580.74 7899.12,1580.74 ; 7883.94,1582.81 7899.12,1582.81 ; 7883.94,1584.88 7899.12,1584.88 ; 7883.94,1586.95 7899.12,1586.95 ; 7883.94,1589.02 7899.12,1589.02 ; 7883.94,1591.09 7899.12,1591.09 ; 7883.94,1593.16 7915.68,1593.16 ; 7883.94,1595.23 7915.68,1595.23 ; 7883.94,1597.3 7915.68,1597.3 ; 7883.94,1599.37 7915.68,1599.37 ; 7883.94,1601.44 7915.68,1601.44 ; 7883.94,1603.51 7915.68,1603.51 ; 7883.94,1605.58 7915.68,1605.58 ; 7883.94,1607.65 7915.68,1607.65 ; 7900.5,1328.2 7915.68,1328.2 ; 7900.5,1330.27 7915.68,1330.27 ; 7900.5,1332.34 7915.68,1332.34 ; 7900.5,1334.41 7915.68,1334.41 ; 7900.5,1336.48 7915.68,1336.48 ; 7900.5,1338.55 7915.68,1338.55 ; 7900.5,1340.62 7915.68,1340.62 ; 7900.5,1342.69 7915.68,1342.69 ; 7900.5,1411 7915.68,1411 ; 7900.5,1413.07 7915.68,1413.07 ; 7900.5,1415.14 7915.68,1415.14 ; 7900.5,1417.21 7915.68,1417.21 ; 7900.5,1419.28 7915.68,1419.28 ; 7900.5,1421.35 7915.68,1421.35 ; 7900.5,1423.42 7915.68,1423.42 ; 7900.5,1425.49 7915.68,1425.49 ; 7900.5,1460.68 7915.68,1460.68 ; 7900.5,1462.75 7915.68,1462.75 ; 7900.5,1464.82 7915.68,1464.82 ; 7900.5,1466.89 7915.68,1466.89 ; 7900.5,1468.96 7915.68,1468.96 ; 7900.5,1471.03 7915.68,1471.03 ; 7900.5,1473.1 7915.68,1473.1 ; 7900.5,1475.17 7915.68,1475.17 ; 7900.5,1626.28 7915.68,1626.28 ; 7900.5,1628.35 7915.68,1628.35 ; 7900.5,1630.42 7915.68,1630.42 ; 7900.5,1632.49 7915.68,1632.49 ; 7900.5,1634.56 7915.68,1634.56 ; 7900.5,1636.63 7915.68,1636.63 ; 7900.5,1638.7 7915.68,1638.7 ; 7900.5,1640.77 7915.68,1640.77 ; 7900.5,1709.08 7915.68,1709.08 ; 7900.5,1711.15 7915.68,1711.15 ; 7900.5,1713.22 7915.68,1713.22 ; 7900.5,1715.29 7915.68,1715.29 ; 7900.5,1717.36 7915.68,1717.36 ; 7900.5,1719.43 7915.68,1719.43 ; 7900.5,1721.5 7915.68,1721.5 ; 7900.5,1723.57 7915.68,1723.57 ; 7900.5,1725.64 7915.68,1725.64 ; 7900.5,1727.71 7915.68,1727.71 ; 7900.5,1729.78 7915.68,1729.78 ; 7900.5,1731.85 7915.68,1731.85 ; 7900.5,1733.92 7915.68,1733.92 ; 7900.5,1735.99 7915.68,1735.99 ; 7900.5,1738.06 7915.68,1738.06 ; 7900.5,1740.13 7915.68,1740.13 ; 7900.5,1742.2 7915.68,1742.2 ; 7900.5,1744.27 7915.68,1744.27 ; 7900.5,1746.34 7915.68,1746.34 ; 7900.5,1748.41 7915.68,1748.41 ; 7900.5,1750.48 7915.68,1750.48 ; 7900.5,1752.55 7915.68,1752.55 ; 7900.5,1754.62 7915.68,1754.62 ; 7900.5,1756.69 7915.68,1756.69 ; 7900.5,1758.76 7915.68,1758.76 ; 7900.5,1760.83 7915.68,1760.83 ; 7900.5,1762.9 7915.68,1762.9 ; 7900.5,1764.97 7915.68,1764.97 ; 7900.5,1767.04 7915.68,1767.04 ; 7900.5,1769.11 7915.68,1769.11 ; 7900.5,1771.18 7915.68,1771.18 ; 7900.5,1773.25 7915.68,1773.25 ; 7900.5,1775.32 7915.68,1775.32 ; 7900.5,1777.39 7915.68,1777.39 ; 7900.5,1779.46 7915.68,1779.46 ; 7900.5,1781.53 7915.68,1781.53 ; 7900.5,1783.6 7915.68,1783.6 ; 7900.5,1785.67 7915.68,1785.67 ; 7900.5,1787.74 7915.68,1787.74 ; 7900.5,1789.81 7915.68,1789.81

## Polygon pours and split planes (outlines as drawn)
VCC on VCC "VCC" (solid, remove dead copper, pour order 18): 4002,785 4001,784 1161,784 1161,3081 1175,3095 1188,3108 3215,3108 3215,5544 3248.17,5510.83 3999,5510.83
VDD3.3 on VCC "VDD3.3" (solid, remove dead copper, pour order 16): 7082,785 3997,785 3997,5512 4000,5515 4004.17,5510.83 4584,5510.83 4584,3363.54 4586,3361.54 4589.54,3358 6879,3358 6879,3155 6878,3154 6707,3154 6707,1787.54 6706,1786.54 6709.54,1783 7081,1783
3V3D1 on VCC "3V3D1" (solid, remove dead copper, pour order 14): 4587,4114 5731.42,4114 5733,4115.58 5733.41,4115.17 5733.41,3358 4586,3358
3V3A1 on VCC "3V3A1" (solid, remove dead copper, pour order 12): 4586,5511 4586.17,5510.83 5735,5510.83 5735,4113.16 5733,4111.16 5730.16,4114 4587,4114
3V3D2 on VCC "3V3D2" (solid, remove dead copper, pour order 10): 6879,3358 5732,3358 5733,3359 5733,4196 6292,4196 6294,4198 6292,4196 6292,4133 6489,4133 6491,4131 6493,4133 6493,4238 6879,4238
3V3A2 on VCC "3V3A2" (solid, remove dead copper, pour order 6): 5733,5512 6880.83,5512 6882,5510.83 6879,5507.83 6879,4238 6493,4238 6491,4240 6491,4131 6294,4131 6293,4130 6292,4131 6292,4196 5733,4196
AFE_VCC on VCC "AFE_VCC" (solid, remove dead copper, pour order 4): 6879,5509 8270,5509 8268,5507 8268,3153 6881,3153 6879,3155
VDD-3.3 on VCC "VDD-3.3" (solid, remove dead copper, pour order 7): 6707,3154 8267.72,3154 8267.72,809.72 8241,783 8238,786 7936,786 7079,786 7081,788 7081,1783 6708,1783 6706,1785
GND on GND "GND" (solid, remove dead copper, pour order 20): 1178,5540 8243,5540 8272,5511 8262,5501 8262,785 1219,785 1186,818
GND on Top Layer "GND" (solid, remove dead copper, pour order 11): 1195,5525 1218,5502 8280,5502 8280,746 8273,739 8238,774 1196,774
GND on Bottom Layer "GND" (solid, remove dead copper, pour order 15): 1185.5,5547.5 1230,5503 8261,5503 8261,763 8239,785 1185,785

## Keep-outs
Keep-Out Layer:
  lines w5: 1181.1,1097 1181.1,5212 ; 1181.1,1108 ccw(c1503.94,1108) 1503.94,785.17 ; 1181.1,5188 cw(c1503.94,5188) 1503.94,5510.83 7945,5510.83 ; 1489,785 7949,785 ; 7944.88,785.17 ccw(c7944.88,1108) 8267.72,1108 ; 7945,5511 cw(c7945,5188.17) 8267.83,5188.17 ; 8267.72,1098 8267.72,5188.17

## Silkscreen, mask and mechanical layers (free items; w line width, h text height)
Top Overlay:
  lines w5: 3122,5514 3123,5513 ; 4587,5511 4587.17,5510.83 ; 7342.52,1235 7342.52,1826 7941,1826 7941,1235 7342.52,1235
  lines w10: 5921,1837 5921,1506 ccw(c6019.43,1506) 6019.43,1407.57 ; 5921.57,1826.57 cw(c6020,1826.57) 6020,1925 6804,1925 cw(c6804,1826.57) 6902.43,1826.57 ; 6019.43,1407 6804,1407 ccw(c6804,1505.43) 6902.43,1505.43 ; 6902,1505.43 6902,1845
  text "载波通信第一版" at 6064,1700 h100
  text "2015年9月22日" at 6098,1531 h100
Top Solder:
  drawing of 2296 lines, arcs and shapes, not listed

## Text inside footprints (layer, text, board x,y; h text height)
J5: Top Overlay "6" at 3503.33,5222.91 h50; Top Overlay "1" at 3503.33,5122.91 h50; Top Overlay "5" at 4043.33,5122.91 h50; Top Overlay "9" at 4023.33,5222.91 h50